# KiCad board BEEWATCH MK2.kicad_pcb
title: BEEWATCH MK2; date: 2025-04-24; rev: A; company: KRISHNAWA; note: KRISHNAWA.GITHUB.IO; note: Board2Pdf: L3 - Page 6/7
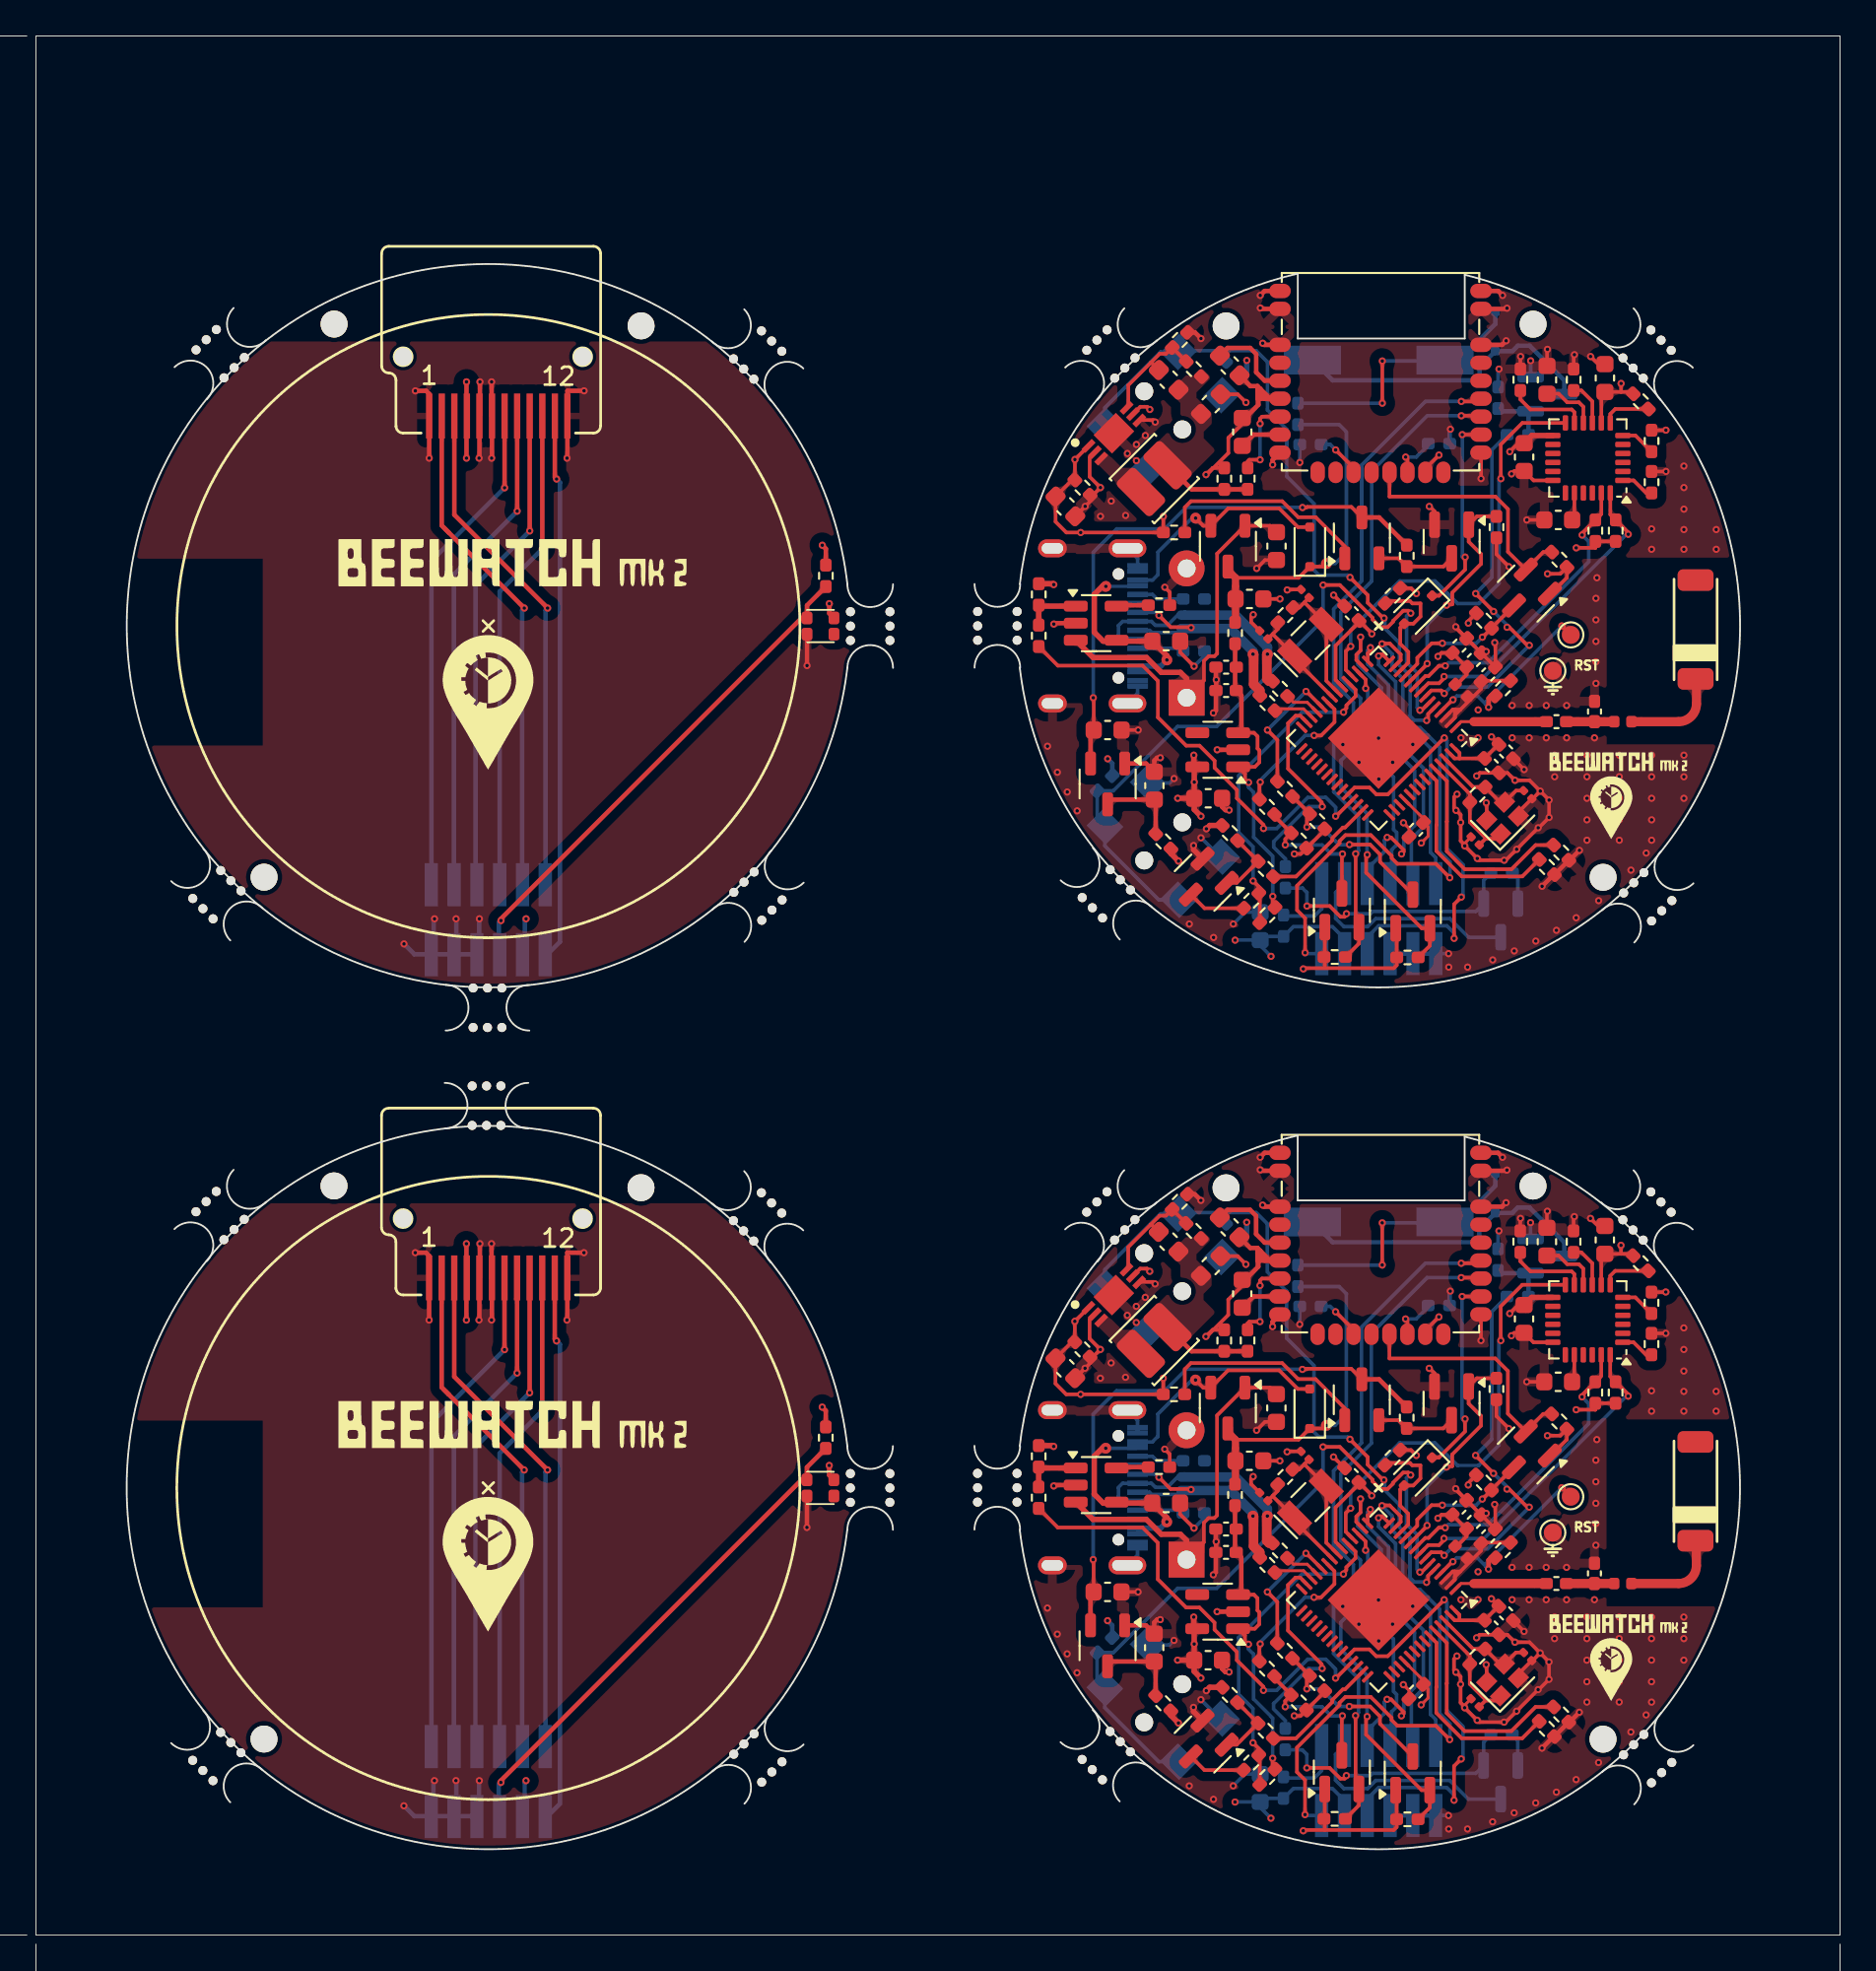
[diagram p0: board, top side]
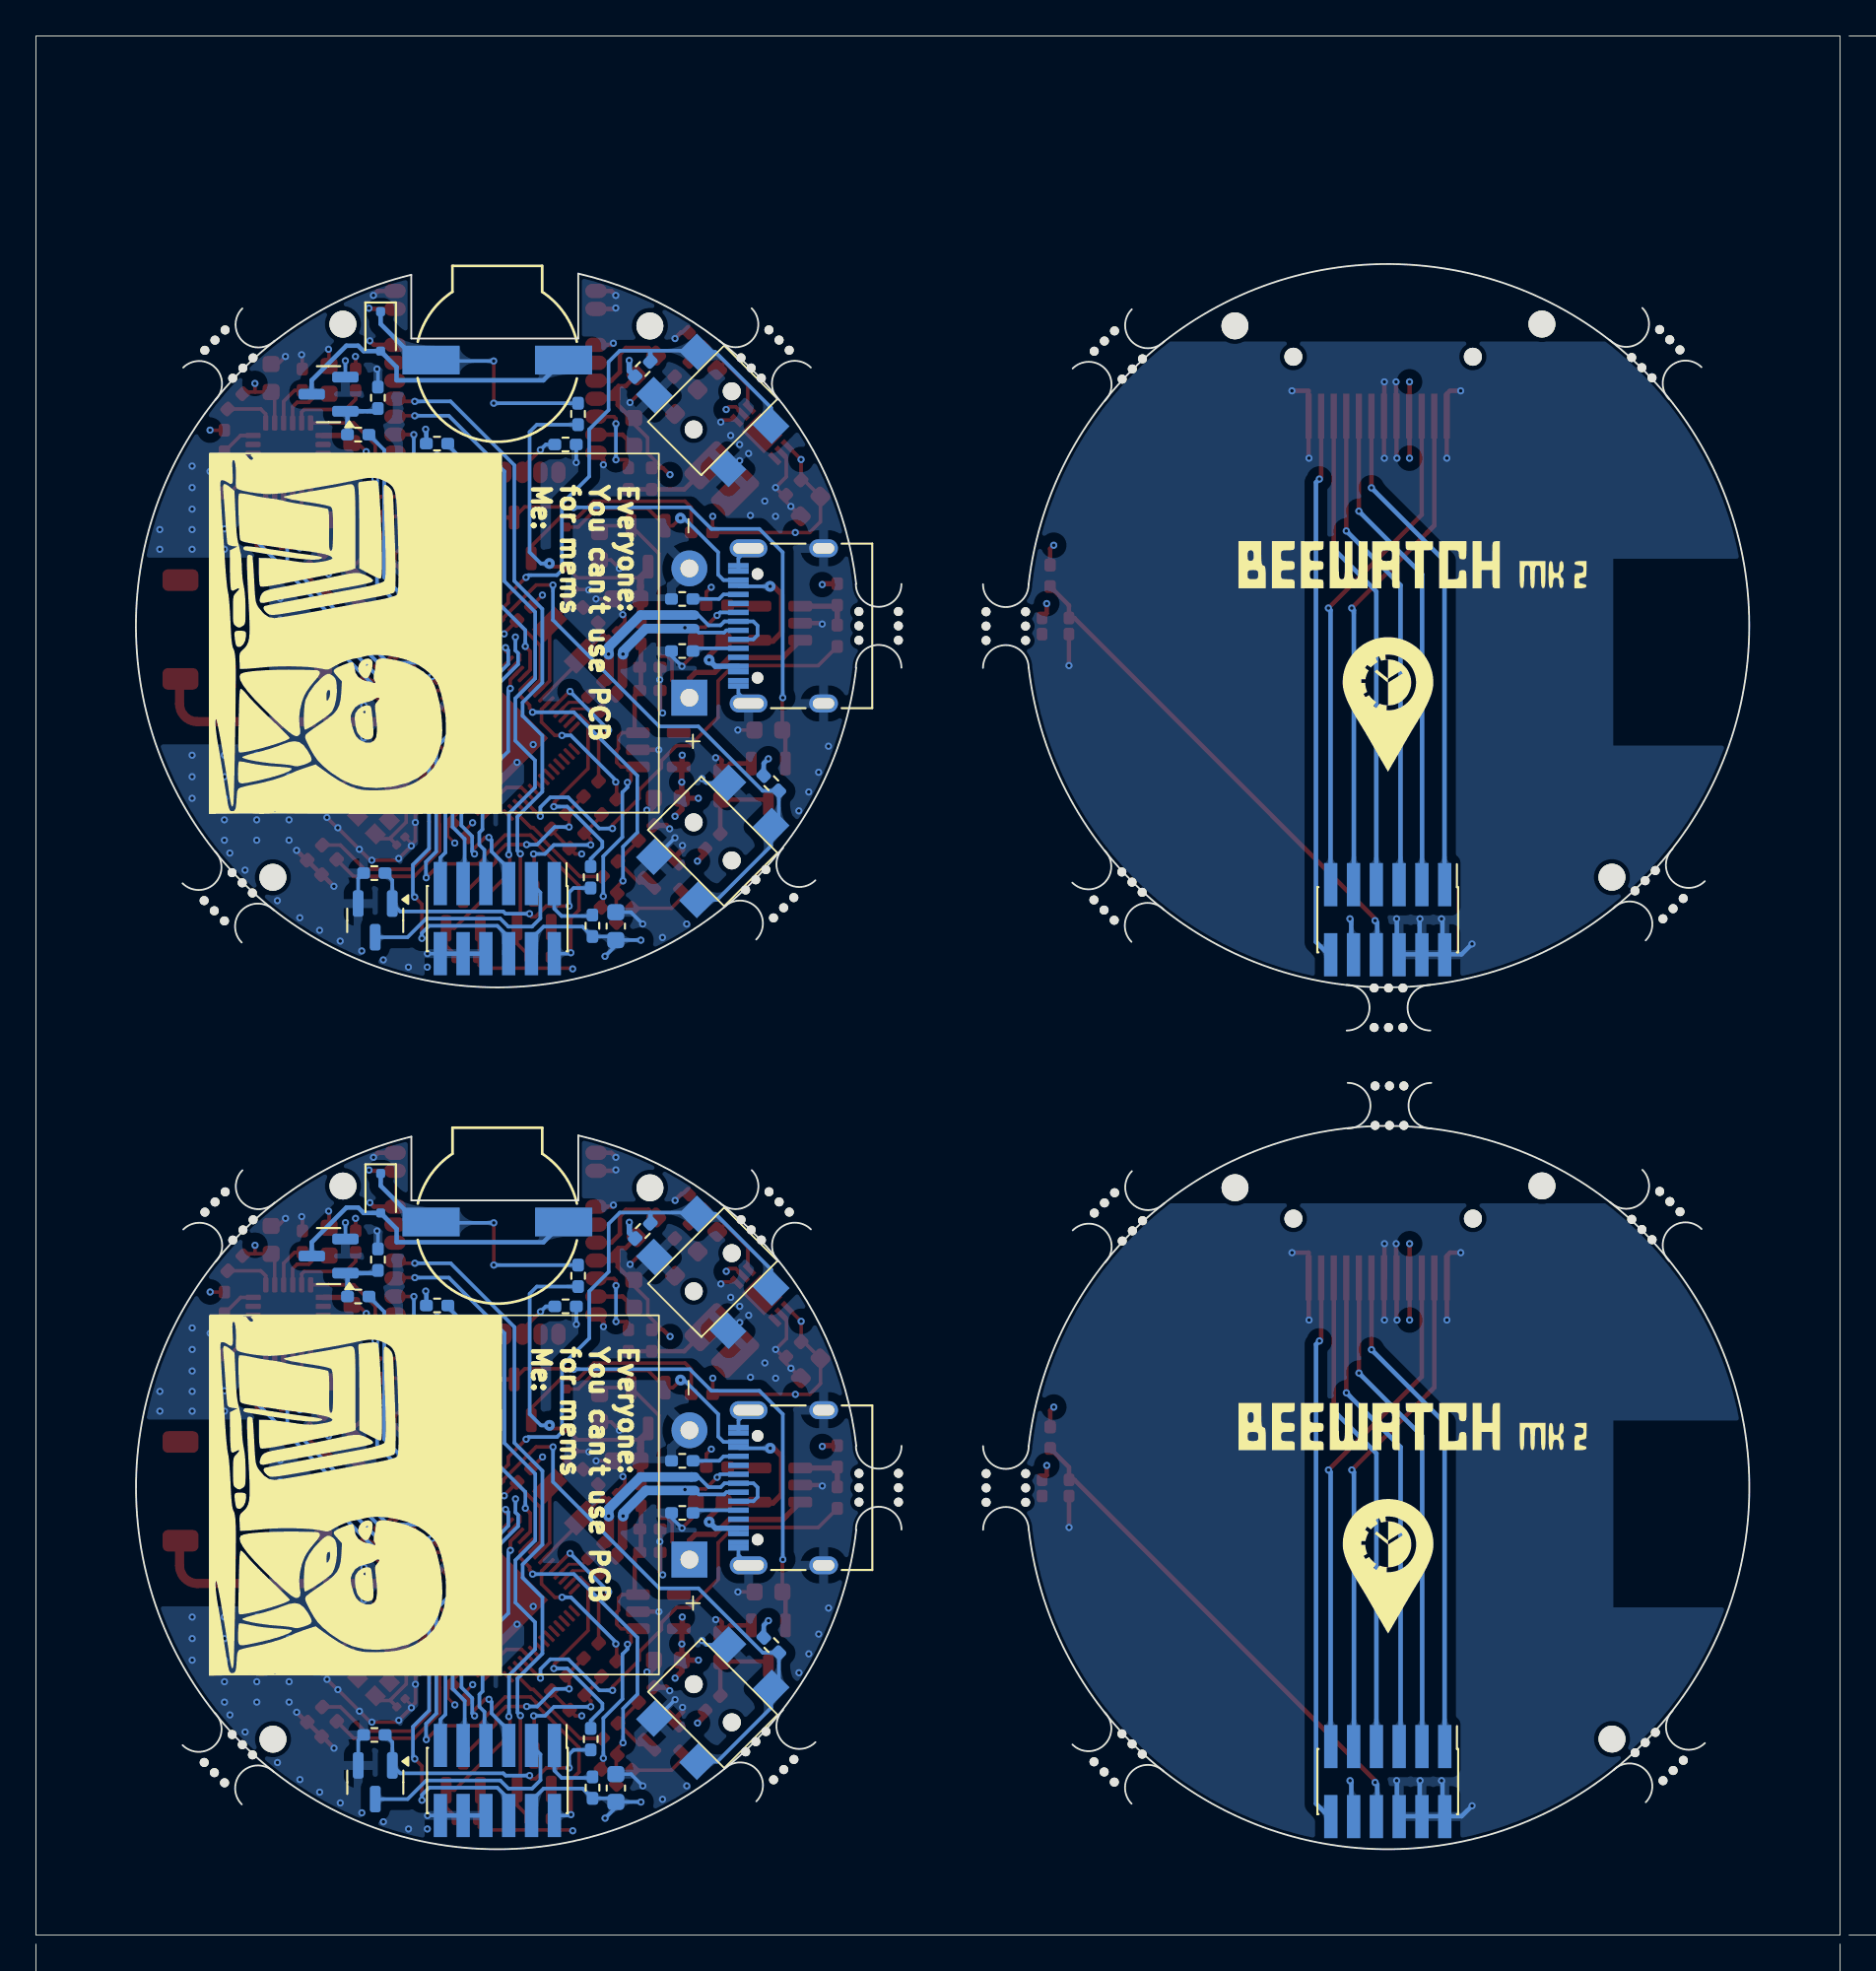
[diagram p1: board, bottom side, seen from below]

Outline 100.5 x 105.75 mm; copper layers: Top, In1.Cu (plane), In2.Cu (plane), Bottom. Coordinates in mm from the lower left corner of the outline.
Outline path: rectangle 0,105.75 100.5,0 ; 45.19,22.57 arc(5.06,24.94) 45.2,27.23 ; 45.2,70.56 arc(5.06,72.93) 45.2,75.22 ; 54.8,27.24 arc(59.8,38.34) 70.29,44.53 70.29,40.91 79.59,40.91 79.59,44.46 arc(88.12,9.82) 54.8,22.58 ; 54.81,75.23 arc(59.81,86.33) 70.29,92.52 70.29,88.9 79.59,88.9 79.59,92.45 arc(88.12,57.81) 54.81,70.57
Stack: Top 0.035mm / dielectric 0.1mm FR4 er 4.5 / In1.Cu 0.035mm / dielectric 1.24mm FR4 er 4.5 / In2.Cu 0.035mm / dielectric 0.1mm FR4 er 4.5 / Bottom 0.035mm

## Placement (name value [footprint] x y rotation side)
AE1  CA-C03  [ESP32_ZERO_ANT]  92.5 72.8 180 top
AE1#2  CA-C03  [ESP32_ZERO_ANT]  92.5 24.81 180 top
BT1  3.7V 400mAh  [WLY902025]  65.9 72.7 270 bottom
BT1#2  3.7V 400mAh  [WLY902025]  65.9 24.71 270 bottom
BZ1  Buzzer  [CL9032A-CLDZ-SMD Passive Buzzer]  74.8 87.7 0 bottom
BZ1#2  Buzzer  [CL9032A-CLDZ-SMD Passive Buzzer]  74.8 39.71 0 bottom
C1  14pF  [C_0201_0603Metric]  80.17 60.93 135 top
C1#2  14pF  [C_0201_0603Metric]  80.17 12.94 135 top
C2  14pF  [C_0201_0603Metric]  83.1 63.5 315 top
C2#2  14pF  [C_0201_0603Metric]  83.1 15.51 315 top
C3  12pF  [C_0201_0603Metric]  70.7 74.7 135 top
C3#2  12pF  [C_0201_0603Metric]  70.7 26.71 135 top
C4  12pF  [C_0201_0603Metric]  68.4 72.4 135 top
C4#2  12pF  [C_0201_0603Metric]  68.4 24.41 135 top
C5  1uF  [C_0402_1005Metric_Pad0.74x0.62mm_HandSolder]  81.09 65.12 315 top
C5#2  1uF  [C_0402_1005Metric_Pad0.74x0.62mm_HandSolder]  81.09 17.13 315 top
C6  10nF  [C_0402_1005Metric_Pad0.74x0.62mm_HandSolder]  81.89 17.91 315 top
C6#2  10nF  [C_0402_1005Metric_Pad0.74x0.62mm_HandSolder]  81.9 65.9 315 top
C7  10uF  [C_0402_1005Metric_Pad0.74x0.62mm_HandSolder]  79.3 71.8 45 top
C7#2  10uF  [C_0402_1005Metric_Pad0.74x0.62mm_HandSolder]  79.3 23.81 45 top
C8  1uF  [C_0402_1005Metric_Pad0.74x0.62mm_HandSolder]  80.1 71 45 top
C8#2  1uF  [C_0402_1005Metric_Pad0.74x0.62mm_HandSolder]  80.1 23.01 45 top
C9  0.1uF  [C_0402_1005Metric_Pad0.74x0.62mm_HandSolder]  80.9 70.2 45 top
C9#2  0.1uF  [C_0402_1005Metric_Pad0.74x0.62mm_HandSolder]  80.9 22.21 45 top
C10  0.1uF  [C_0402_1005Metric_Pad0.74x0.62mm_HandSolder]  73.3 25.61 135 top
C10#2  0.1uF  [C_0402_1005Metric_Pad0.74x0.62mm_HandSolder]  73.3 73.6 135 top
C11  0.1uF  [C_0402_1005Metric_Pad0.74x0.62mm_HandSolder]  76.89 13.56 225 top
C11#2  0.1uF  [C_0402_1005Metric_Pad0.74x0.62mm_HandSolder]  76.89 61.55 225 top
C12  0R  [C_0402_1005Metric_Pad0.74x0.62mm_HandSolder]  84.7 67.57 0 top
C12#2  0R  [C_0402_1005Metric_Pad0.74x0.62mm_HandSolder]  84.7 19.58 0 top
C13  4.7nF  [C_0402_1005Metric_Pad0.74x0.62mm_HandSolder]  86.82 68.13 270 top
C13#2  4.7nF  [C_0402_1005Metric_Pad0.74x0.62mm_HandSolder]  86.82 20.14 270 top
C14  10nF  [C_0603_1608Metric]  82.9 34.31 270 top
C14#2  10nF  [C_0603_1608Metric]  82.9 82.3 270 top
C15  0.1uF  [C_0603_1608Metric]  84.17 38.61 90 top
C15#2  0.1uF  [C_0603_1608Metric]  84.17 86.6 90 top
C16  2.2nF  [C_0603_1608Metric]  84.8 78.8 180 top
C16#2  2.2nF  [C_0603_1608Metric]  84.8 30.81 180 top
C17  0.1uF  [C_0603_1608Metric]  87.4 86.7 90 top
C17#2  0.1uF  [C_0603_1608Metric]  87.4 38.71 90 top
C18  0.1u  [C_0603_1608Metric]  68.2 8.19 90 bottom
C18#2  0.1u  [C_0603_1608Metric]  68.2 56.18 90 bottom
C19  1uF  [C_0603_1608Metric]  62.96 24.06 0 top
C19#2  1uF  [C_0603_1608Metric]  62.96 72.05 0 top
C20  4.7uF  [C_0603_1608Metric]  69.1 29.35 270 top
C20#2  4.7uF  [C_0603_1608Metric]  69.1 77.34 270 top
C21  4.7uF  [C_0603_1608Metric]  67.6 74.4 0 top
C21#2  4.7uF  [C_0603_1608Metric]  67.6 26.41 0 top
C22  10uF  [C_0402_1005Metric_Pad0.74x0.62mm_HandSolder]  66.3 22.61 180 top
C22#2  10uF  [C_0402_1005Metric_Pad0.74x0.62mm_HandSolder]  66.3 70.6 180 top
C23  0.1uF  [C_0402_1005Metric_Pad0.74x0.62mm_HandSolder]  66.3 21.31 180 top
C23#2  0.1uF  [C_0402_1005Metric_Pad0.74x0.62mm_HandSolder]  66.3 69.3 180 top
C24  10uF  [C_0603_1608Metric]  65.3 15.31 0 top
C24#2  10uF  [C_0603_1608Metric]  65.3 63.3 0 top
C25  4.7uF  [C_0603_1608Metric]  57.35 79.55 315 top
C25#2  4.7uF  [C_0603_1608Metric]  57.34 31.56 315 top
C26  4.7uF  [C_0603_1608Metric]  67.2 35.71 90 top
C26#2  4.7uF  [C_0603_1608Metric]  67.2 83.7 90 top
C27  4.7uF  [C_0603_1608Metric]  66.5 87.4 315 top
C27#2  4.7uF  [C_0603_1608Metric]  66.5 39.41 315 top
C28  220pF  [C_0603_1608Metric]  63.1 86.6 135 top
C28#2  220pF  [C_0603_1608Metric]  63.1 38.61 135 top
C29  4.7uF  [C_0603_1608Metric]  65.45 85.25 225 top
C29#2  4.7uF  [C_0603_1608Metric]  65.44 37.26 225 top
C30  4.7uF  [C_0603_1608Metric]  62.3 64 90 top
C30#2  4.7uF  [C_0603_1608Metric]  62.3 16.01 90 top
C31  4.7uF  [C_0603_1608Metric]  59.7 19.11 0 top
C31#2  4.7uF  [C_0603_1608Metric]  59.7 67.1 0 top
D1  WS2812B-0807  [XL-0807RGBC-WS2812B]  43.7 72.89 0 top
D1#2  WS2812B-0807  [XL-0807RGBC-WS2812B]  43.7 24.9 0 top
D2  ZLLS410TA  [D_SOD-323F]  70.96 77.3 90 top
D2#2  ZLLS410TA  [D_SOD-323F]  70.96 29.31 90 top
D3  ZLLS410TA  [D_SOD-323F]  77 25.81 225 top
D3#2  ZLLS410TA  [D_SOD-323F]  77 73.8 225 top
D4  ZLLS410TA  [D_SOD-323F]  81.3 41.31 270 bottom
D4#2  ZLLS410TA  [D_SOD-323F]  81.3 89.3 270 bottom
DS1  GC9A01  [GC9A01_BOTTOM]  25.2 24.9 0 top
DS1#2  GC9A01  [GC9A01_BOTTOM]  25.21 72.89 0 top
G***  -  [LOGO]  25.18 68.15 0 top
G***#2  -  [LOGO]  87.95 17.16 0 top
G***#3  -  [LOGO]  25.18 20.16 0 top
G***#4  -  [LOGO]  26.08 27.96 0 top
G***#5  -  [LOGO]  26.08 75.95 0 top
G***#6  -  [LOGO]  87.75 14.56 0 top
G***#7  -  [LOGO]  87.95 65.15 0 top
G***#8  -  [LOGO]  87.75 62.55 0 top
G***#9  -  [LOGO]  25.19 68.04 180 bottom
G***#10  -  [LOGO]  25.18 20.05 180 bottom
G***#11  -  [LOGO]  24.28 27.85 180 bottom
G***#12  -  [LOGO]  24.29 75.84 180 bottom
J1  USB_C_Receptacle_USB2.0_16P  [USB_C_Receptacle_XKB_U262-16XN-4BVC11]  57.7 24.91 90 bottom
J1#2  USB_C_Receptacle_USB2.0_16P  [USB_C_Receptacle_XKB_U262-16XN-4BVC11]  57.7 72.9 90 bottom
J3  Conn_02x06_Odd_Even  [PinHeader_2x06_P1.27mm_Vertical_SMD]  74.8 56.6 270 bottom
J3#2  Conn_02x06_Odd_Even  [PinHeader_2x06_P1.27mm_Vertical_SMD]  74.8 8.61 270 bottom
J4  Conn_02x06_Odd_Even  [PinHeader_2x06_P1.27mm_Vertical_SMD]  25.2 8.55 270 bottom
J4#2  Conn_02x06_Odd_Even  [PinHeader_2x06_P1.27mm_Vertical_SMD]  25.2 56.54 270 bottom
L1  2nH  [L_0402_1005Metric]  79.4 21.31 135 top
L1#2  2nH  [L_0402_1005Metric]  79.4 69.3 135 top
L2  5.6nH  [L_0402_1005Metric]  88.4 19.58 0 top
L2#2  5.6nH  [L_0402_1005Metric]  88.4 67.57 0 top
L3  3.3uH  [L_Cenker_CKCS3012]  62.3 33.11 45 top
L3#2  3.3uH  [L_Cenker_CKCS3012]  62.3 81.1 45 top
meme_2  LOGO  [meme_2]  82.7 24.51 270 bottom
meme_2#2  LOGO  [meme_2]  82.7 72.5 270 bottom
mouse-bite-2.54mm-slot  VAL**  [mouse-bite-2.54mm-slot]  46.47 72.89 90 top
mouse-bite-2.54mm-slot#2  VAL**  [mouse-bite-2.54mm-slot]  59.63 57.98 135 top
mouse-bite-2.54mm-slot#3  VAL**  [mouse-bite-2.54mm-slot]  25.15 51.64 0 top
mouse-bite-2.54mm-slot#4  VAL**  [mouse-bite-2.54mm-slot]  10.26 40.07 225 top
mouse-bite-2.54mm-slot#5  VAL**  [mouse-bite-2.54mm-slot]  10.08 9.94 135 top
mouse-bite-2.54mm-slot#6  VAL**  [mouse-bite-2.54mm-slot]  89.75 88.03 135 top
mouse-bite-2.54mm-slot#7  VAL**  [mouse-bite-2.54mm-slot]  53.55 24.91 90 top
mouse-bite-2.54mm-slot#8  VAL**  [mouse-bite-2.54mm-slot]  46.47 24.9 90 top
mouse-bite-2.54mm-slot#9  VAL**  [mouse-bite-2.54mm-slot]  89.78 9.82 225 top
mouse-bite-2.54mm-slot#10  VAL**  [mouse-bite-2.54mm-slot]  59.88 40.05 225 top
mouse-bite-2.54mm-slot#11  VAL**  [mouse-bite-2.54mm-slot]  40.22 57.85 225 top
mouse-bite-2.54mm-slot#12  VAL**  [mouse-bite-2.54mm-slot]  40.22 9.86 225 top
mouse-bite-2.54mm-slot#13  VAL**  [mouse-bite-2.54mm-slot]  59.62 9.99 135 top
mouse-bite-2.54mm-slot#14  VAL**  [mouse-bite-2.54mm-slot]  10.08 57.93 135 top
mouse-bite-2.54mm-slot#15  VAL**  [mouse-bite-2.54mm-slot]  59.88 88.04 225 top
mouse-bite-2.54mm-slot#16  VAL**  [mouse-bite-2.54mm-slot]  53.56 72.9 90 top
mouse-bite-2.54mm-slot#17  VAL**  [mouse-bite-2.54mm-slot]  40.2 87.98 135 top
mouse-bite-2.54mm-slot#18  VAL**  [mouse-bite-2.54mm-slot]  10.27 88.06 225 top
mouse-bite-2.54mm-slot#19  VAL**  [mouse-bite-2.54mm-slot]  40.2 39.99 135 top
mouse-bite-2.54mm-slot#20  VAL**  [mouse-bite-2.54mm-slot]  25.1 46.18 0 top
mouse-bite-2.54mm-slot#21  VAL**  [mouse-bite-2.54mm-slot]  89.74 40.04 135 top
mouse-bite-2.54mm-slot#22  VAL**  [mouse-bite-2.54mm-slot]  89.79 57.82 225 top
NOREF  -  [unnamed]  83.4 89.7 0 top
NOREF#2  -  [unnamed#2]  66.25 89.64 0 top
NOREF#3  -  [unnamed]  83.4 41.71 0 top
NOREF#4  -  [unnamed]  87.3 10.91 0 top
NOREF#5  -  [unnamed#2]  66.25 41.65 0 top
NOREF#6  -  [unnamed]  87.3 58.9 0 top
NOREF#7  -  [unnamed]  33.71 41.62 180 bottom
NOREF#8  -  [unnamed]  12.71 58.91 180 bottom
NOREF#9  -  [unnamed]  16.61 41.72 180 bottom
NOREF#10  -  [unnamed]  33.71 89.61 180 bottom
NOREF#11  -  [unnamed]  12.71 10.92 180 bottom
NOREF#12  -  [unnamed]  16.61 89.71 180 bottom
Q1  DMG6968U  [SOT-23]  84.2 37.81 0 bottom
Q1#2  DMG6968U  [SOT-23]  84.2 85.8 0 bottom
Q2  DMG6968U  [SOT-23]  81.6 8.51 270 bottom
Q2#2  DMG6968U  [SOT-23]  81.6 56.5 270 bottom
Q3  DMP1045U-7  [SOT-23-3]  66.4 29.35 270 top
Q3#2  DMP1045U-7  [SOT-23-3]  66.4 77.34 270 top
Q4  DMG6968U  [SOT-23]  78.86 77.6 270 top
Q4#2  DMG6968U  [SOT-23]  78.86 29.61 270 top
Q5  BSS138  [SOT-23]  72.75 57.06 90 top
Q5#2  BSS138  [SOT-23]  72.75 9.07 90 top
Q6  BSS138  [SOT-23]  76.7 9.01 90 top
Q6#2  BSS138  [SOT-23]  76.7 57 90 top
Q7  BSS138  [SOT-23]  83 26.71 225 top
Q7#2  BSS138  [SOT-23]  83 74.7 225 top
Q8  DMP1045U-7  [SOT-23-3]  73.86 29.81 90 top
Q8#2  DMP1045U-7  [SOT-23-3]  73.86 77.8 90 top
Q9  DMG6968U  [SOT-23]  65 58.6 225 top
Q9#2  DMG6968U  [SOT-23]  65 10.61 225 top
R1  5K1  [R_0402_1005Metric_Pad0.72x0.64mm_HandSolder]  64.5 71.5 0 bottom
R1#2  5K1  [R_0402_1005Metric_Pad0.72x0.64mm_HandSolder]  64.5 23.51 0 bottom
R2  5K1  [R_0402_1005Metric_Pad0.72x0.64mm_HandSolder]  64.5 26.41 0 bottom
R2#2  5K1  [R_0402_1005Metric_Pad0.72x0.64mm_HandSolder]  64.5 74.4 0 bottom
R3  10K  [R_0402_1005Metric_Pad0.72x0.64mm_HandSolder]  66.7 39.21 315 bottom
R3#2  10K  [R_0402_1005Metric_Pad0.72x0.64mm_HandSolder]  66.7 87.2 315 bottom
R4  5M  [R_0402_1005Metric_Pad0.72x0.64mm_HandSolder]  69.6 25.51 225 top
R4#2  5M  [R_0402_1005Metric_Pad0.72x0.64mm_HandSolder]  69.6 73.5 225 top
R5  10K  [R_0402_1005Metric_Pad0.72x0.64mm_HandSolder]  59.53 16.15 45 bottom
R5#2  10K  [R_0402_1005Metric_Pad0.72x0.64mm_HandSolder]  59.54 64.14 45 bottom
R6  1K  [R_0402_1005Metric_Pad0.72x0.64mm_HandSolder]  44 27.7 90 top
R6#2  1K  [R_0402_1005Metric_Pad0.72x0.64mm_HandSolder]  44 75.69 90 top
R7  22  [R_0402_1005Metric_Pad0.72x0.64mm_HandSolder]  69.3 21.41 315 top
R7#2  22  [R_0402_1005Metric_Pad0.72x0.64mm_HandSolder]  69.3 69.4 315 top
R8  22  [R_0402_1005Metric_Pad0.72x0.64mm_HandSolder]  68.6 68.6 315 top
R8#2  22  [R_0402_1005Metric_Pad0.72x0.64mm_HandSolder]  68.6 20.61 315 top
R9  100  [R_0402_1005Metric_Pad0.72x0.64mm_HandSolder]  82.55 35.56 0 bottom
R9#2  100  [R_0402_1005Metric_Pad0.72x0.64mm_HandSolder]  82.55 83.55 0 bottom
R10  47K  [R_0402_1005Metric_Pad0.72x0.64mm_HandSolder]  81.45 85.6 270 bottom
R10#2  47K  [R_0402_1005Metric_Pad0.72x0.64mm_HandSolder]  81.45 37.61 270 bottom
R11  4.7K  [R_0402_1005Metric_Pad0.72x0.64mm_HandSolder]  88 78.2 270 top
R11#2  4.7K  [R_0402_1005Metric_Pad0.72x0.64mm_HandSolder]  88 30.21 270 top
R12  4.7K  [R_0402_1005Metric_Pad0.72x0.64mm_HandSolder]  86.86 30.21 270 top
R12#2  4.7K  [R_0402_1005Metric_Pad0.72x0.64mm_HandSolder]  86.87 78.2 270 top
R13  0  [R_0402_1005Metric_Pad0.72x0.64mm_HandSolder]  82.69 86.6 270 top
R13#2  0  [R_0402_1005Metric_Pad0.72x0.64mm_HandSolder]  82.68 38.61 270 top
R14  0  [R_0402_1005Metric_Pad0.72x0.64mm_HandSolder]  90 32.91 270 top
R14#2  0  [R_0402_1005Metric_Pad0.72x0.64mm_HandSolder]  90 80.9 270 top
R15  4.7K  [R_0402_1005Metric_Pad0.72x0.64mm_HandSolder]  90 83.2 90 top
R15#2  4.7K  [R_0402_1005Metric_Pad0.72x0.64mm_HandSolder]  90 35.21 90 top
R16  4.7K  [R_0402_1005Metric_Pad0.72x0.64mm_HandSolder]  89.4 37.41 135 top
R16#2  4.7K  [R_0402_1005Metric_Pad0.72x0.64mm_HandSolder]  89.4 85.4 135 top
R17  10K  [R_0402_1005Metric_Pad0.72x0.64mm_HandSolder]  69.6 10.91 270 bottom
R17#2  10K  [R_0402_1005Metric_Pad0.72x0.64mm_HandSolder]  69.6 58.9 270 bottom
R18  1M  [R_0402_1005Metric_Pad0.72x0.64mm_HandSolder]  81.65 59.14 0 bottom
R18#2  1M  [R_0402_1005Metric_Pad0.72x0.64mm_HandSolder]  81.65 11.15 0 bottom
R19  22  [R_0402_1005Metric_Pad0.72x0.64mm_HandSolder]  69.5 8.21 270 bottom
R19#2  22  [R_0402_1005Metric_Pad0.72x0.64mm_HandSolder]  69.5 56.2 270 bottom
R20  22K  [R_0402_1005Metric_Pad0.72x0.64mm_HandSolder]  62.56 74.05 0 top
R20#2  22K  [R_0402_1005Metric_Pad0.72x0.64mm_HandSolder]  62.56 26.06 0 top
R21  220  [R_0402_1005Metric_Pad0.72x0.64mm_HandSolder]  55.86 24.36 270 top
R21#2  220  [R_0402_1005Metric_Pad0.72x0.64mm_HandSolder]  55.86 72.35 270 top
R22  220  [R_0402_1005Metric_Pad0.72x0.64mm_HandSolder]  55.86 74.65 90 top
R22#2  220  [R_0402_1005Metric_Pad0.72x0.64mm_HandSolder]  55.86 26.66 90 top
R23  5M  [R_0402_1005Metric_Pad0.72x0.64mm_HandSolder]  80.3 63.5 45 top
R23#2  5M  [R_0402_1005Metric_Pad0.72x0.64mm_HandSolder]  80.3 15.51 45 top
R24  10K  [R_0402_1005Metric_Pad0.72x0.64mm_HandSolder]  76.36 76.8 90 top
R24#2  10K  [R_0402_1005Metric_Pad0.72x0.64mm_HandSolder]  76.36 28.81 90 top
R25  1M  [R_0402_1005Metric_Pad0.72x0.64mm_HandSolder]  58.3 80.6 135 top
R25#2  1M  [R_0402_1005Metric_Pad0.72x0.64mm_HandSolder]  58.3 32.61 135 top
R26  100K  [R_0402_1005Metric_Pad0.72x0.64mm_HandSolder]  63.72 88.82 225 top
R26#2  100K  [R_0402_1005Metric_Pad0.72x0.64mm_HandSolder]  63.72 40.83 225 top
R27  51K  [R_0402_1005Metric_Pad0.72x0.64mm_HandSolder]  64.5 87.2 315 top
R27#2  51K  [R_0402_1005Metric_Pad0.72x0.64mm_HandSolder]  64.5 39.21 315 top
R28  0  [R_0402_1005Metric_Pad0.72x0.64mm_HandSolder]  66.2 33.11 270 top  (not fitted)
R28#2  0  [R_0402_1005Metric_Pad0.72x0.64mm_HandSolder]  66.2 81.1 270 top  (not fitted)
R29  0  [R_0402_1005Metric_Pad0.72x0.64mm_HandSolder]  71 35.01 0 bottom
R29#2  0  [R_0402_1005Metric_Pad0.72x0.64mm_HandSolder]  71 83 0 bottom
R30  0  [R_0402_1005Metric_Pad0.72x0.64mm_HandSolder]  78.16 83.05 180 bottom
R30#2  0  [R_0402_1005Metric_Pad0.72x0.64mm_HandSolder]  78.15 35.06 180 bottom
R31  10K  [R_0402_1005Metric_Pad0.72x0.64mm_HandSolder]  72.35 54.46 180 top
R31#2  10K  [R_0402_1005Metric_Pad0.72x0.64mm_HandSolder]  72.35 6.47 180 top
R32  10K  [R_0402_1005Metric_Pad0.72x0.64mm_HandSolder]  76.4 6.45 180 top
R32#2  10K  [R_0402_1005Metric_Pad0.72x0.64mm_HandSolder]  76.4 54.44 180 top
R33  10K  [R_0402_1005Metric_Pad0.72x0.64mm_HandSolder]  84.86 28.6 315 top
R33#2  10K  [R_0402_1005Metric_Pad0.72x0.64mm_HandSolder]  84.86 76.59 315 top
R34  10K  [R_0402_1005Metric_Pad0.72x0.64mm_HandSolder]  70.35 12.95 315 top
R34#2  10K  [R_0402_1005Metric_Pad0.72x0.64mm_HandSolder]  70.36 60.94 315 top
R35  K10K  [R_0402_1005Metric_Pad0.72x0.64mm_HandSolder]  71.38 62.02 315 top
R35#2  K10K  [R_0402_1005Metric_Pad0.72x0.64mm_HandSolder]  71.37 14.03 315 top
R36  K10K  [R_0402_1005Metric_Pad0.72x0.64mm_HandSolder]  80.66 73.19 135 top
R36#2  K10K  [R_0402_1005Metric_Pad0.72x0.64mm_HandSolder]  80.66 25.2 135 top
R37  10K  [R_0402_1005Metric_Pad0.72x0.64mm_HandSolder]  75.58 74.58 225 top
R37#2  10K  [R_0402_1005Metric_Pad0.72x0.64mm_HandSolder]  75.57 26.59 225 top
R38  0  [R_0402_1005Metric_Pad0.72x0.64mm_HandSolder]  68.58 62.82 135 top
R38#2  0  [R_0402_1005Metric_Pad0.72x0.64mm_HandSolder]  68.57 14.83 135 top
R39  0  [R_0402_1005Metric_Pad0.72x0.64mm_HandSolder]  69.57 15.83 135 top
R39#2  0  [R_0402_1005Metric_Pad0.72x0.64mm_HandSolder]  69.58 63.82 135 top
R40  1K  [R_0402_1005Metric_Pad0.72x0.64mm_HandSolder]  81.72 69.42 45 top
R40#2  1K  [R_0402_1005Metric_Pad0.72x0.64mm_HandSolder]  81.72 21.43 45 top
R41  0  [R_0402_1005Metric_Pad0.72x0.64mm_HandSolder]  63.4 78.1 0 top
R41#2  0  [R_0402_1005Metric_Pad0.72x0.64mm_HandSolder]  63.4 30.11 0 top
R42  0  [R_0402_1005Metric_Pad0.72x0.64mm_HandSolder]  85.65 38.61 270 top
R42#2  0  [R_0402_1005Metric_Pad0.72x0.64mm_HandSolder]  85.66 86.6 270 top
R43  0  [R_0402_1005Metric_Pad0.72x0.64mm_HandSolder]  62.8 60.9 135 top
R43#2  0  [R_0402_1005Metric_Pad0.72x0.64mm_HandSolder]  62.8 12.91 135 top
R44  10K  [R_0402_1005Metric_Pad0.72x0.64mm_HandSolder]  68.6 8.81 225 top
R44#2  10K  [R_0402_1005Metric_Pad0.72x0.64mm_HandSolder]  68.6 56.8 225 top
R45  10K  [R_0402_1005Metric_Pad0.72x0.64mm_HandSolder]  67.7 9.61 225 top
R45#2  10K  [R_0402_1005Metric_Pad0.72x0.64mm_HandSolder]  67.7 57.6 225 top
R46  100  [R_0402_1005Metric_Pad0.72x0.64mm_HandSolder]  68.5 11.37 135 top
R46#2  100  [R_0402_1005Metric_Pad0.72x0.64mm_HandSolder]  68.51 59.37 135 top
R47  10K  [R_0402_1005Metric_Pad0.72x0.64mm_HandSolder]  66.5 13.37 135 top
R47#2  10K  [R_0402_1005Metric_Pad0.72x0.64mm_HandSolder]  66.51 61.37 135 top
R48  0  [R_0402_1005Metric_Pad0.72x0.64mm_HandSolder]  66.8 72.5 270 top
R48#2  0  [R_0402_1005Metric_Pad0.72x0.64mm_HandSolder]  66.8 24.51 270 top
R49  0  [R_0402_1005Metric_Pad0.72x0.64mm_HandSolder]  67.5 33.11 90 top
R49#2  0  [R_0402_1005Metric_Pad0.72x0.64mm_HandSolder]  67.5 81.1 90 top
R50  10K  [R_0402_1005Metric_Pad0.72x0.64mm_HandSolder]  81.36 30.41 90 top
R50#2  10K  [R_0402_1005Metric_Pad0.72x0.64mm_HandSolder]  81.36 78.4 90 top
R51  0  [R_0402_1005Metric_Pad0.72x0.64mm_HandSolder]  84.16 11.48 315 top
R51#2  0  [R_0402_1005Metric_Pad0.72x0.64mm_HandSolder]  84.17 59.47 315 top
R52  0  [R_0402_1005Metric_Pad0.72x0.64mm_HandSolder]  84.96 12.28 135 top
R52#2  0  [R_0402_1005Metric_Pad0.72x0.64mm_HandSolder]  84.97 60.27 135 top
R53  0  [R_0402_1005Metric_Pad0.72x0.64mm_HandSolder]  70.3 84.7 90 bottom
R53#2  0  [R_0402_1005Metric_Pad0.72x0.64mm_HandSolder]  70.3 36.71 90 bottom
SW1  TK-074-4  [Tact Switch-TK-074-4 Pin SMD]  62.8 84.9 315 bottom
SW1#2  TK-074-4  [Tact Switch-TK-074-4 Pin SMD]  62.8 36.91 315 bottom
SW2  TK-074-4  [Tact Switch-TK-074-4 Pin SMD]  62.8 60.9 45 bottom
SW2#2  TK-074-4  [Tact Switch-TK-074-4 Pin SMD]  62.8 12.91 45 bottom
TP1  TestPoint  [TestPoint_Pad_D1.0mm]  85.5 24.41 180 top
TP1#2  TestPoint  [TestPoint_Pad_D1.0mm]  85.5 72.4 180 top
TP2  TestPoint  [TestPoint_Pad_D1.0mm]  84.5 70.4 0 top
TP2#2  TestPoint  [TestPoint_Pad_D1.0mm]  84.5 22.41 0 top
U1  ESP32-S3FH4R2  [QFN-56-1EP_7x7mm_P0.4mm_EP4x4mm]  74.79 66.65 225 top
U1#2  ESP32-S3FH4R2  [QFN-56-1EP_7x7mm_P0.4mm_EP4x4mm]  74.79 18.66 225 top